# Altium PCB eva01.PcbDoc (part 1 of 4)
Units mm, origin at the board's own origin, x right, y up, seen from the top; angles counter-clockwise.
Board outline 84 x 120 mm, 4 copper layers (Top Layer, Inner, GND, Bottom Layer), stack 1.668 mm thick; 205 components, 261 nets, 1028 pads, 1169 vias.
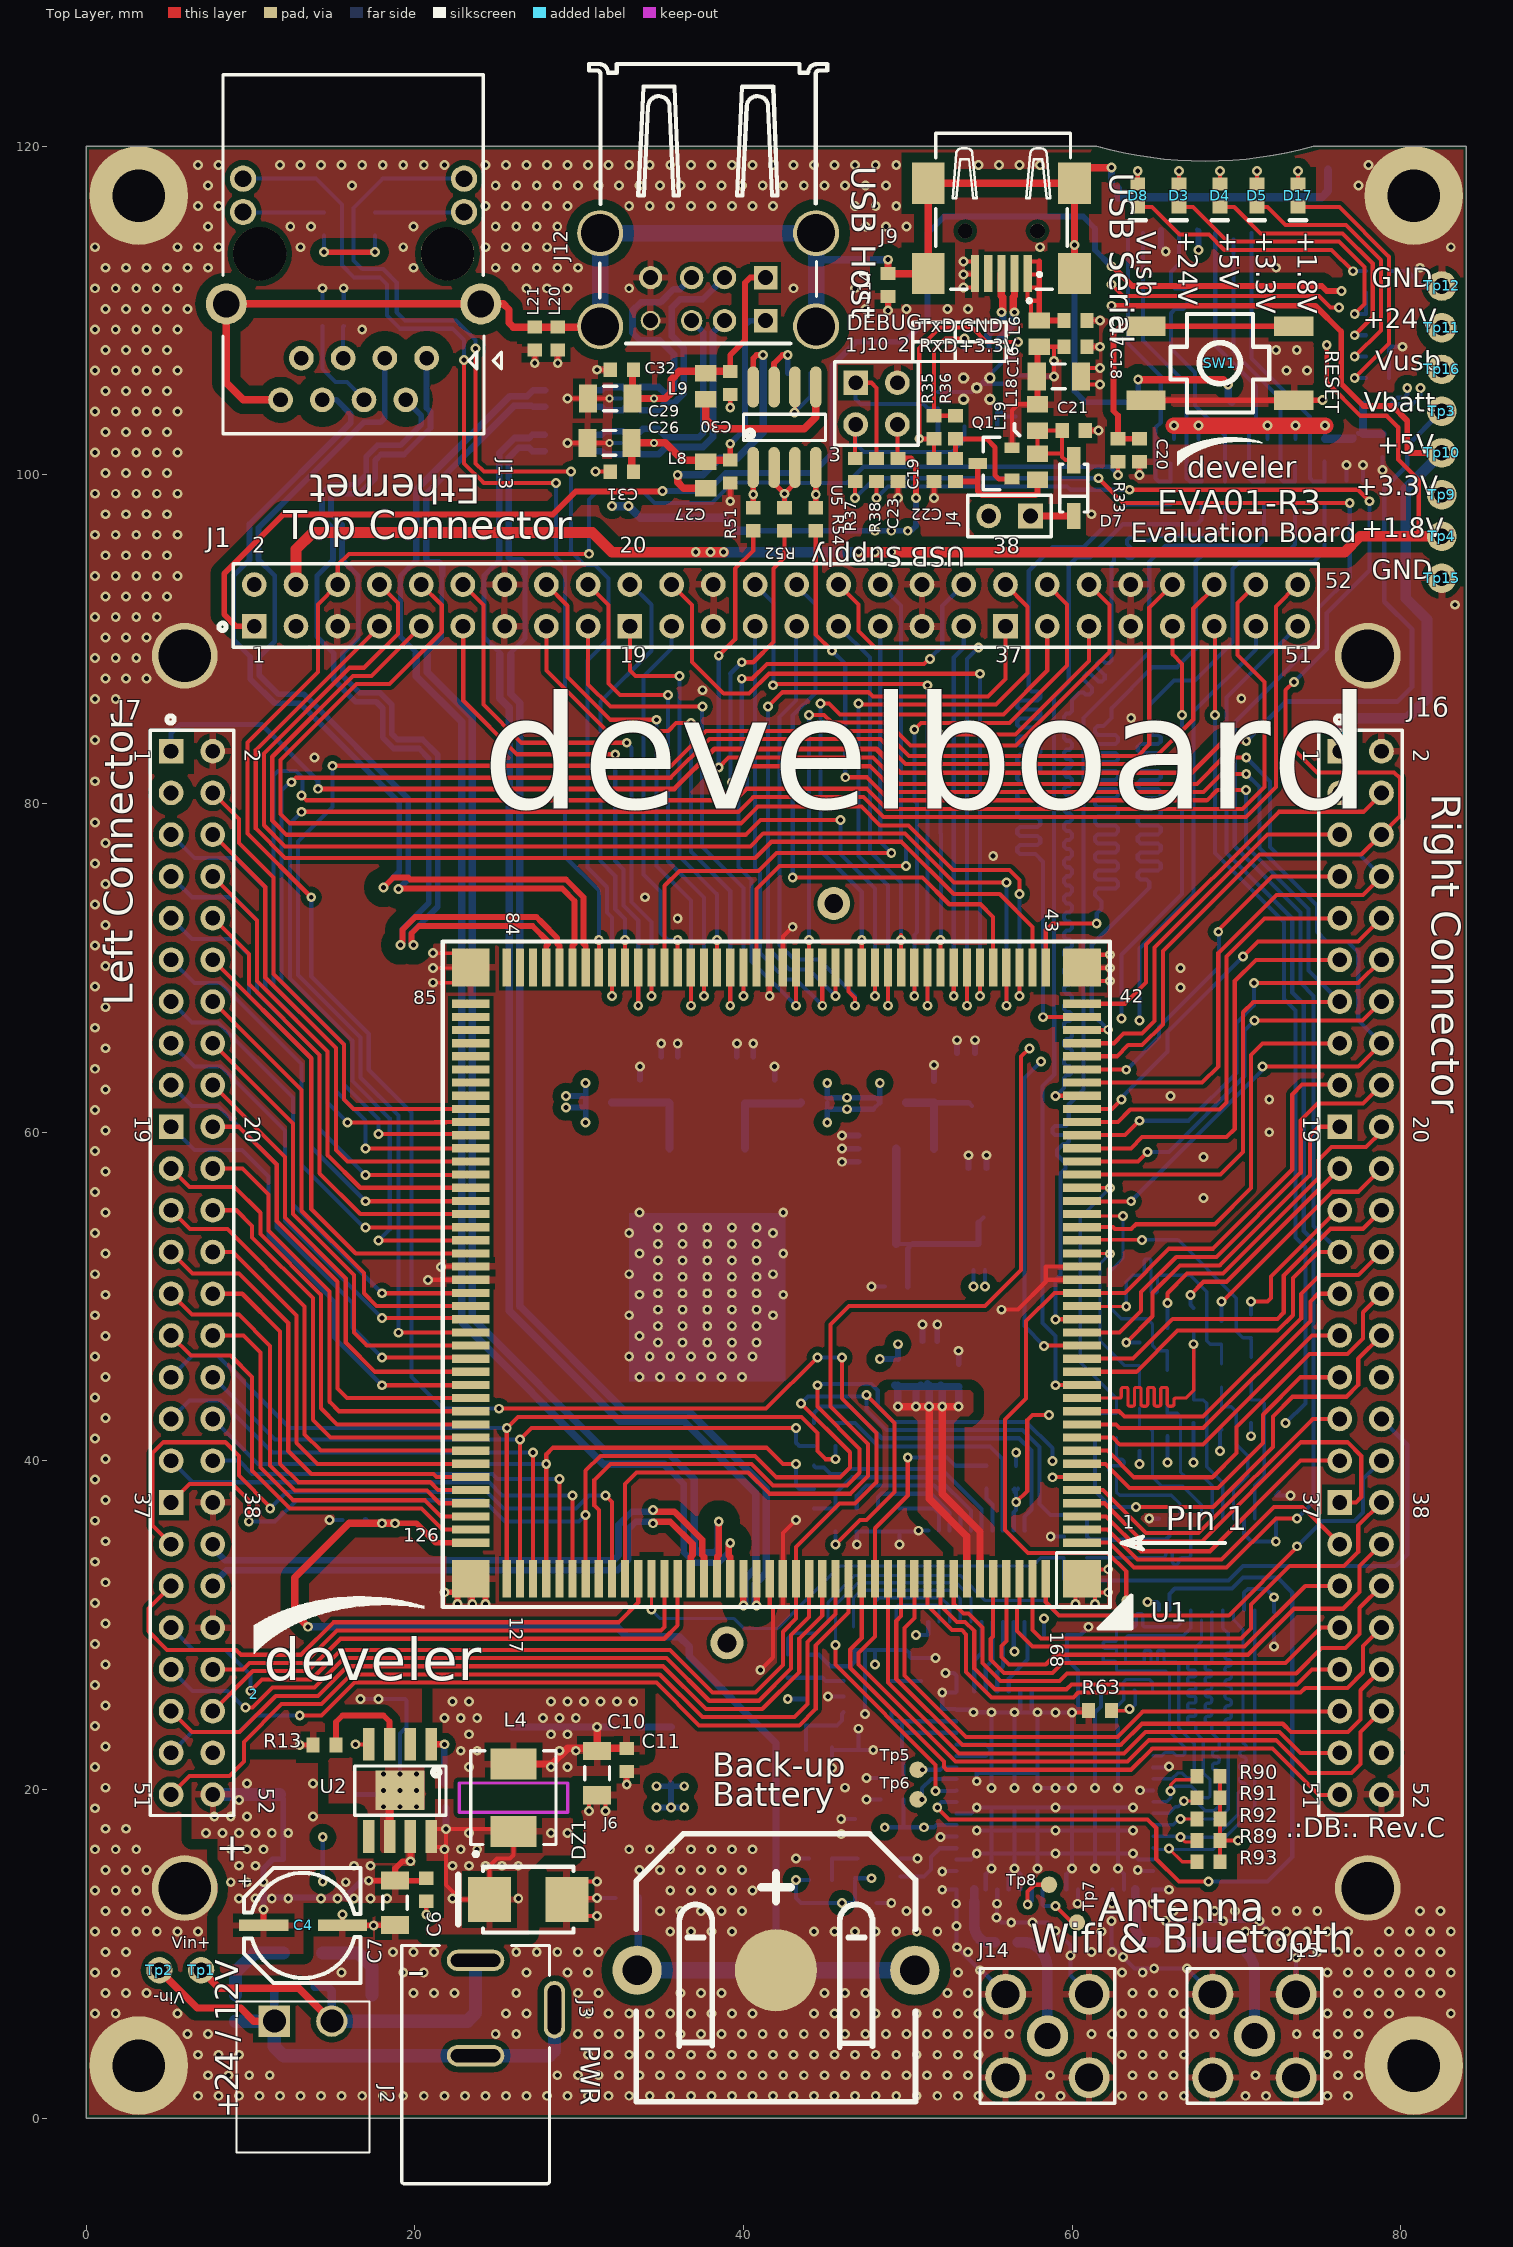
[diagram p0: Top Layer view]
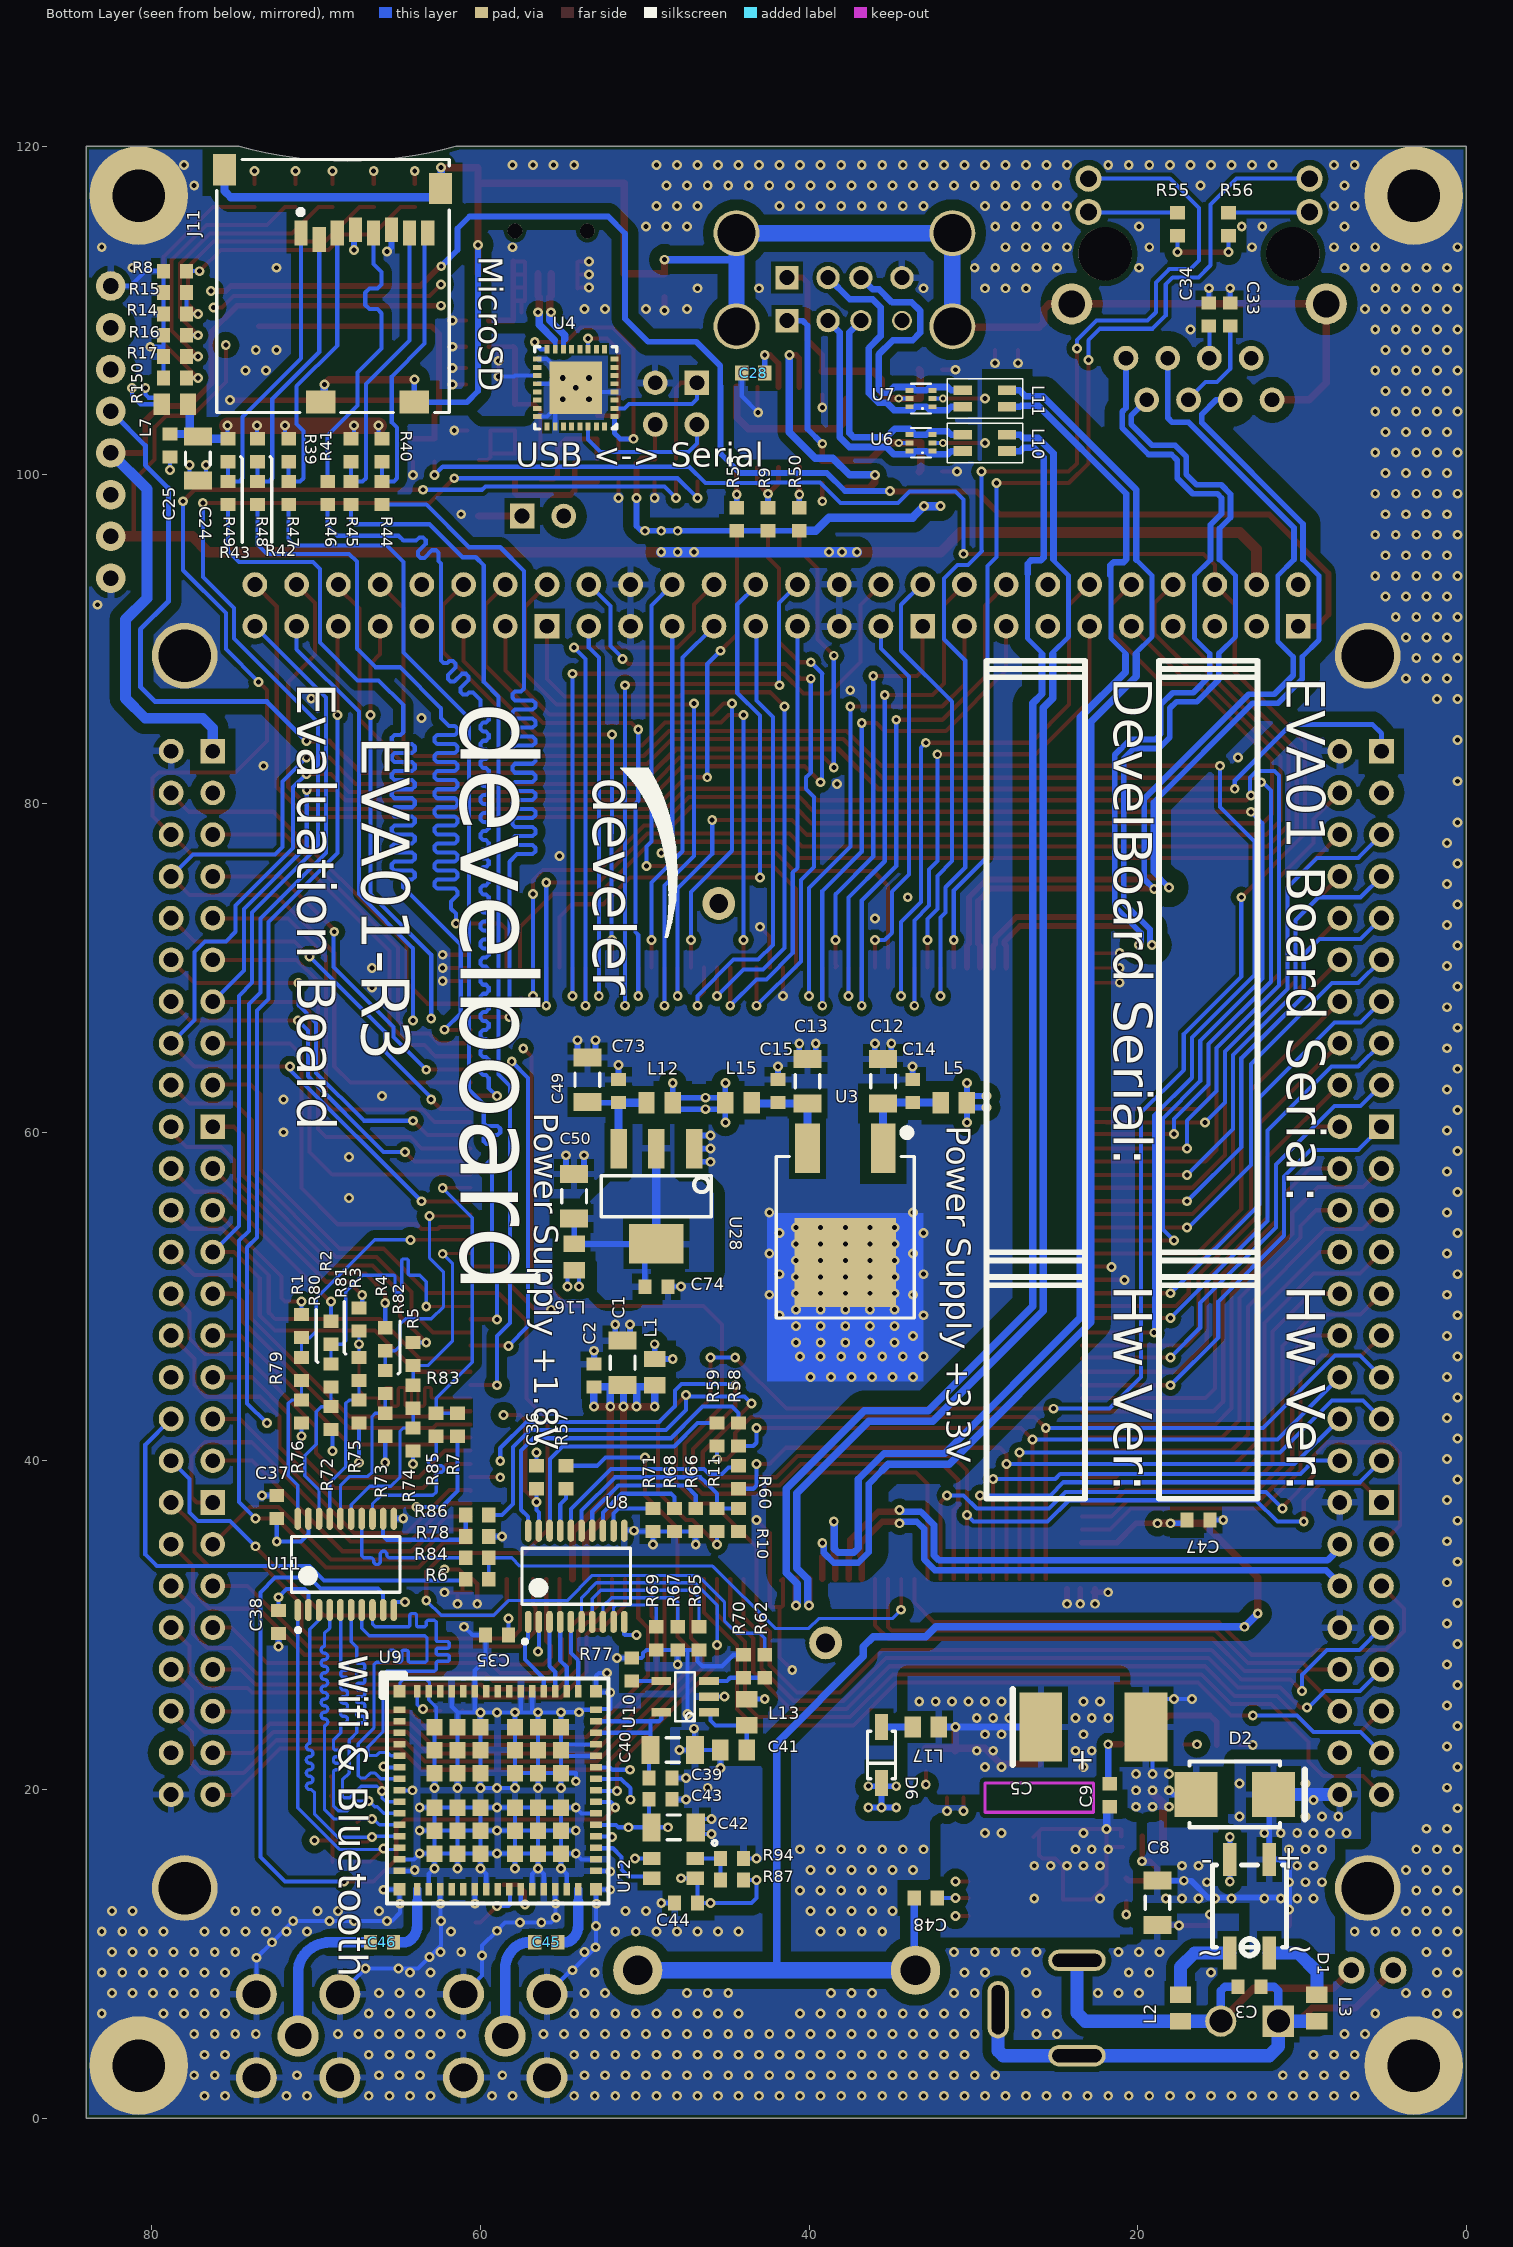
[diagram p1: Bottom Layer view, seen from below]
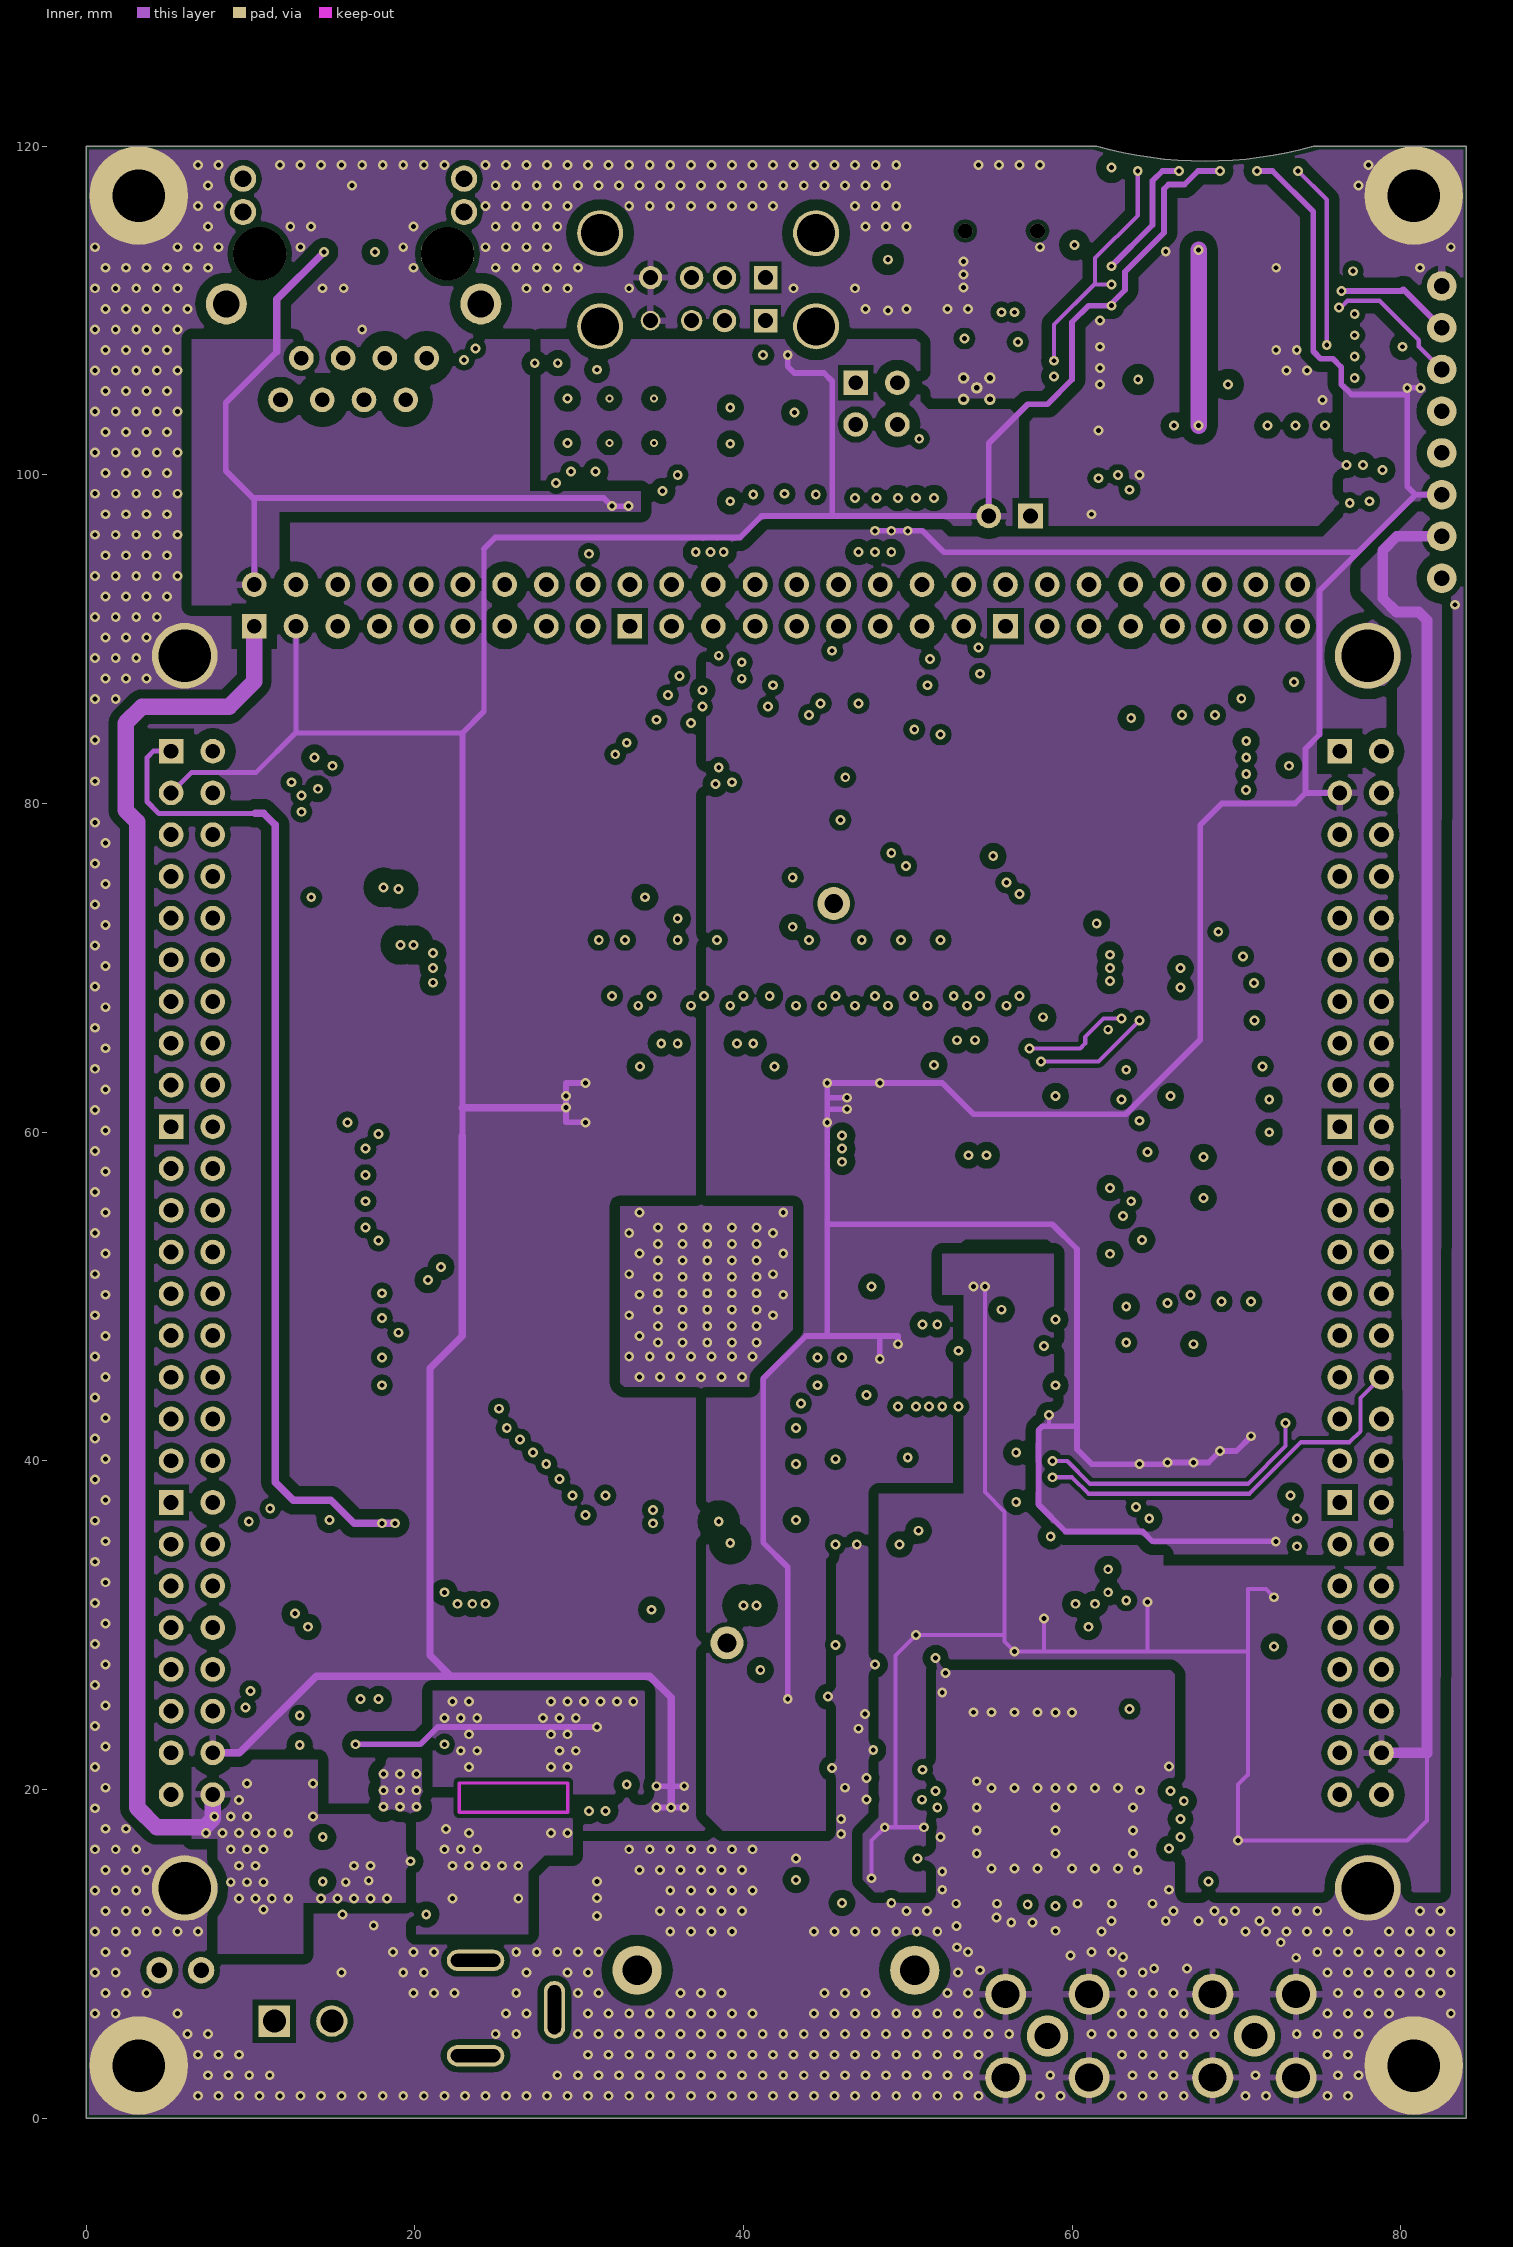
[diagram p2: Inner]
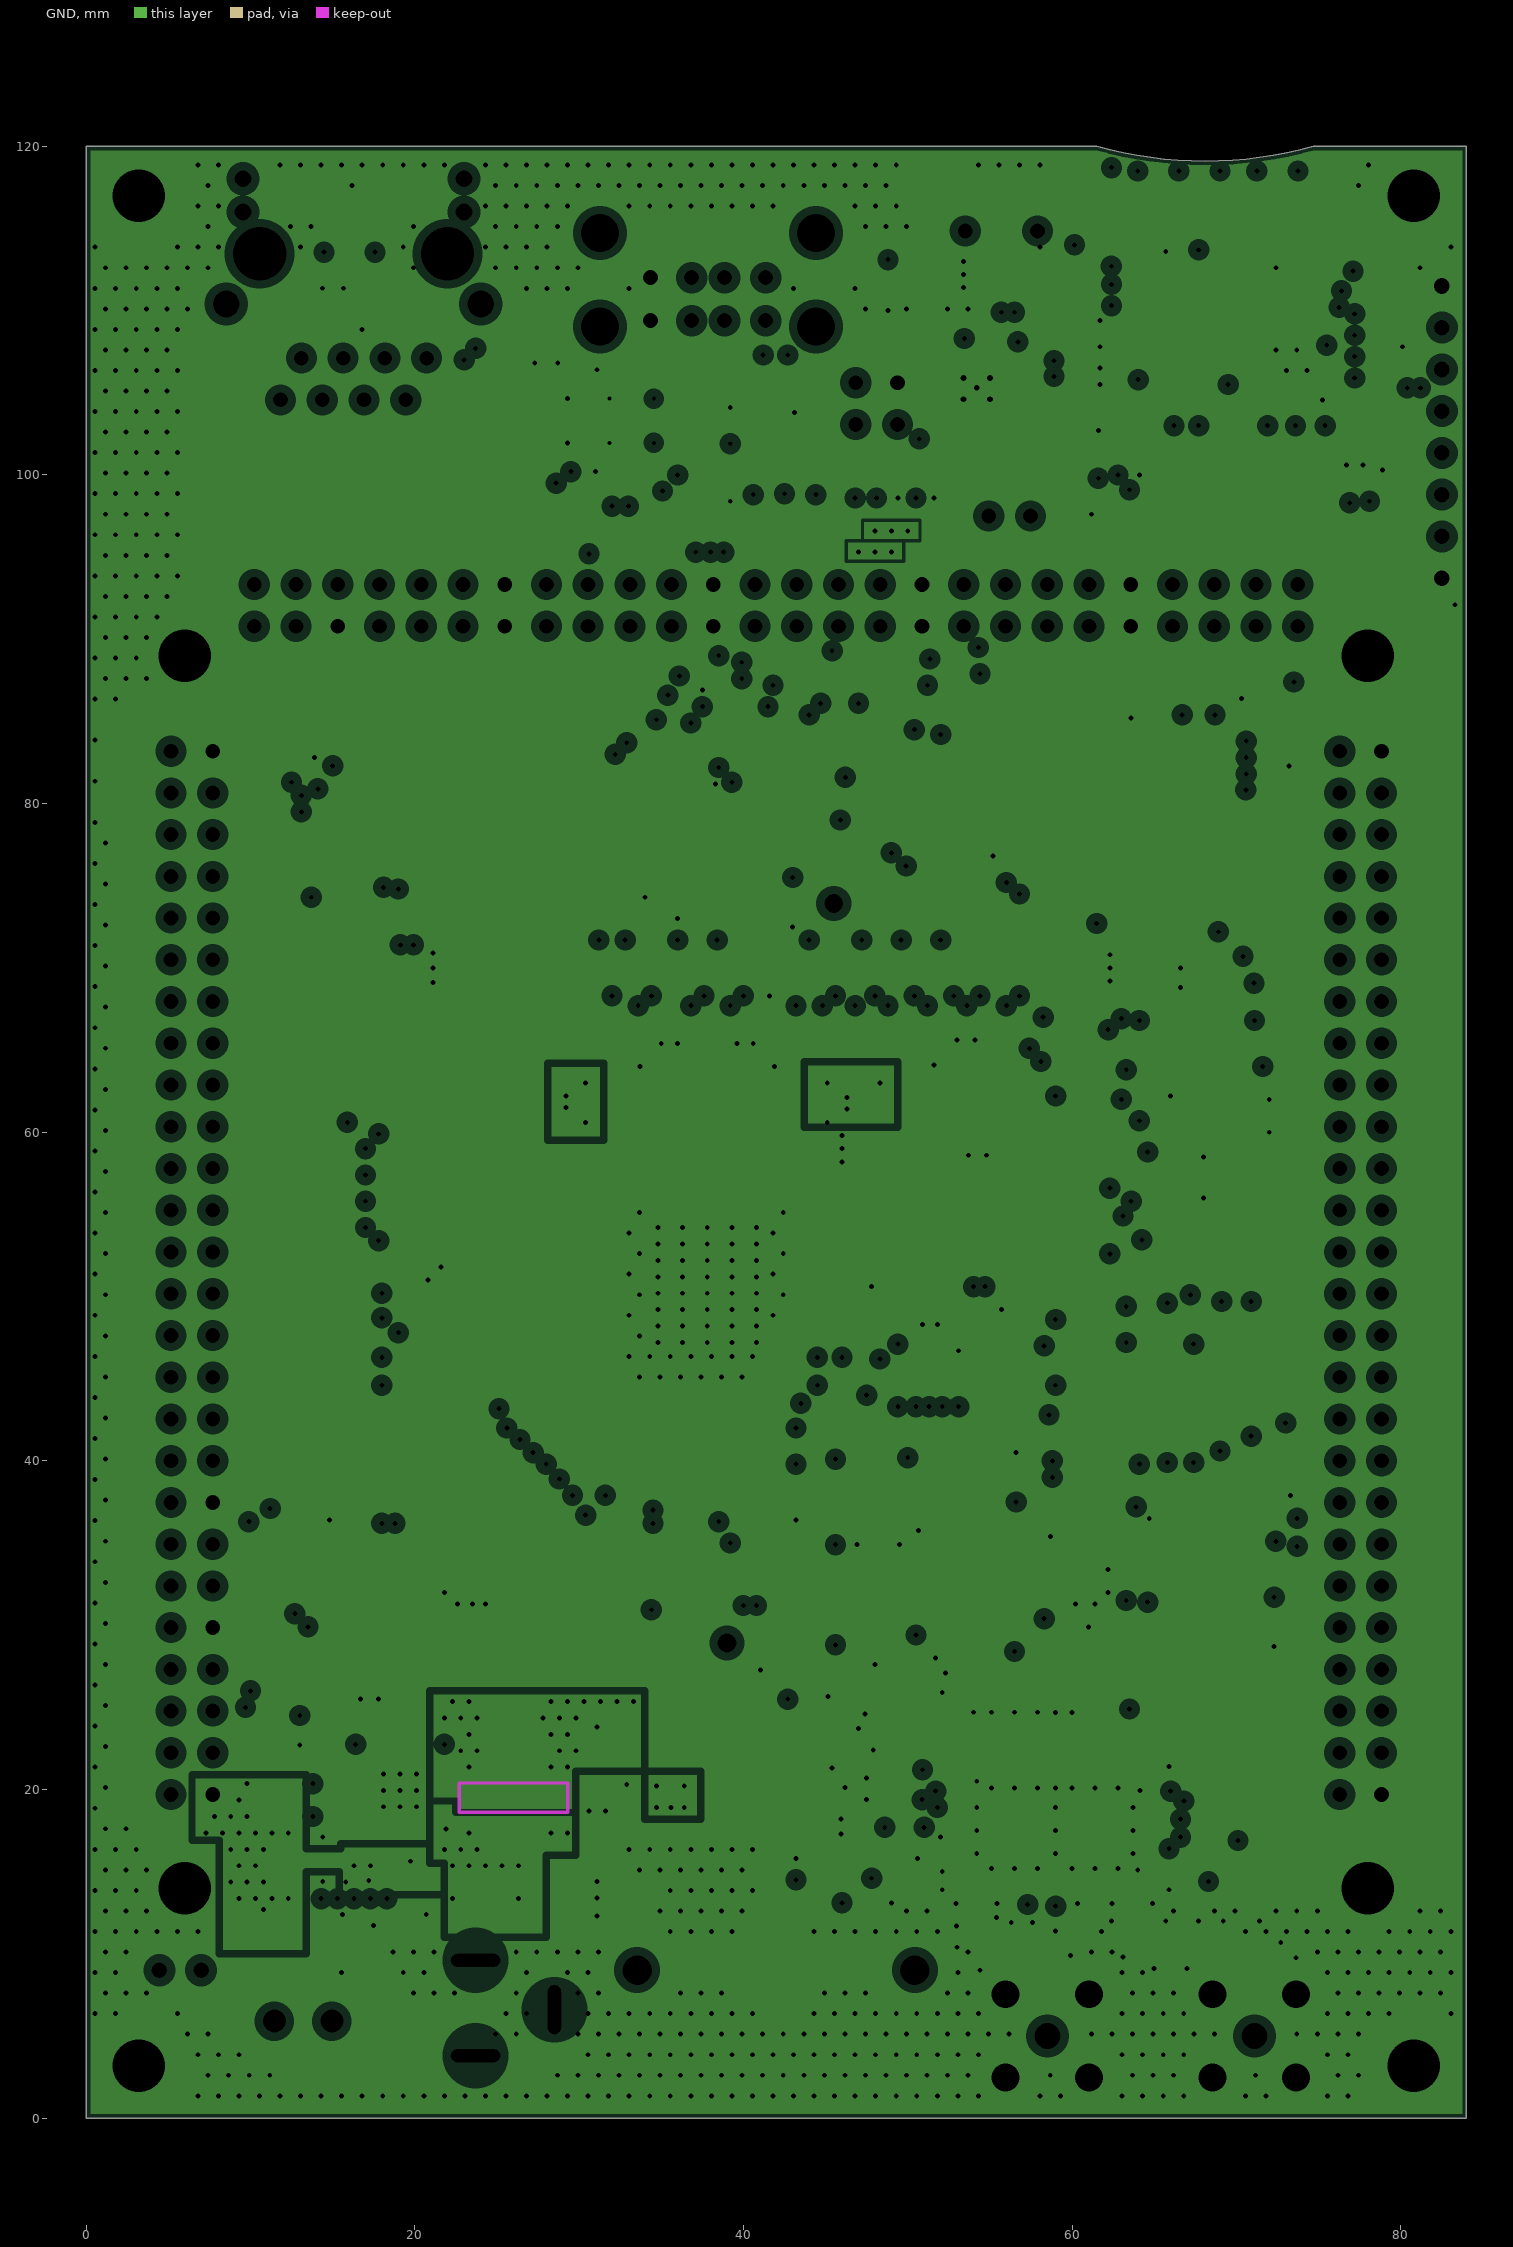
[diagram p3: GND, clearances drawn from the general rule]

## Layer stack, top to bottom
Top Solder: solder mask 0.0102, Solder Resist, Dk 3.5
Top Layer: signal copper 0.035
Dielectric1: prepreg 0.408, 2x7628, Dk 4.2
Inner: signal copper 0.036
Dielectric2: core 0.71, FR-4, Dk 4.2
GND: plane copper 0.036, net (Multiple Nets)
Dielectric3: prepreg 0.408, 2x7628, Dk 4.2
Bottom Layer: signal copper 0.035
Bottom Solder: solder mask 0.0102, Solder Resist, Dk 3.5

## Board outline
0,0 0,120 61.5,120 ccw(c68.1,143.744) 74.7,120 84,120 84,0

## Design rules (kind name [scope] priority, off if disabled: settings)
AssemblyTestpoint [All] p1: testpointundercomponent=TRUE minsize=0.5 maxsize=2.5 preferedsize=0.5 minholesize=0 maxholesize=1 preferedholesize=0 testpointgrid=0.1 usegrid=TRUE gridtolerance=0 allowsidetop=TRUE allowsidebottom=TRUE
Clearance Clearance_shld [InNet('SHLD') vs inpoly] p1: gap=0.2 except(0.65: Arc-Fill Arc-Poly Arc-Region Track-Fill Track-Poly Track-Region SMDPad-Fill SMDPad-Poly SMDPad-Region THPad-Fill THPad-Poly THPad-Region Via-Fill Via-Poly Via-Region Fill-Fill Fill-Poly Fill-Region Poly-Poly Poly-Region Region-Region)
Clearance Clearance_mmc-sdio_bus [InNetClass('SDIO_LOWBUS', 'SDIO_BUS', 'SDIO') or InNetClass('mmc', 'mmc_con') vs inpoly] p2: gap=0.35 except(0.25: Arc-Arc; 0.5: Arc-Fill Arc-Poly Arc-Region Track-Fill Track-Poly Track-Region SMDPad-Fill SMDPad-Poly SMDPad-Region THPad-Fill THPad-Poly THPad-Region Via-Fill Via-Poly Via-Region Fill-Fill Fill-Poly Fill-Region Poly-Poly Poly-Region Region-Region)
Clearance Clearance_Lswitch [InComponent('L4') vs OnLayer('Keep-Out Layer')] p3: gap=0.1
Clearance Clearance_components_015 [hasfootprint('SOT-563') or hasfootprint('QFN-32')] p4: gap=0.15 except(0.5: Track-Poly Track-Region)
Clearance Clearance_components_025 [hasfootprint('WL18XX_E-13.4X13.3-N100_0.75') or HasFootprint('micro_sd_holder_pp') or hasfootprint('project42_footprint_socket') or hasfootprint('TSOP65P640X120-20L') or hasfootprint('usb_typeB_mini_smd') or hasfootprint('USB_TYPEA_DOUBLE_THD')] p5: gap=0.25
Clearance Clearance_diff_eth_bus [InDifferentialPair('ETHRX', 'ETHTX') vs not (WithinRoom('Eth_develboard') or WithinRoom('Eth_connector') or WithinRoom('Eth_pin_header'))] p6: gap=0.9
Clearance Clearance_diff_usb_bus [InDifferentialPair('USB1') or InDifferentialPair('USB2') vs not (WithinRoom('Usb_filter') or WithinRoom('Usb_develboard'))] p7: gap=1
Clearance Clearance_+24 [innet('+24V', '-VIN', '+VIN') and ((ObjectKind = 'Track') And (AsMM(Width) > 0.35)) vs not WithinRoom('Eth_pin_header')] p8: gap=0.55
Clearance poly-poweline [InNetClass('Power') or innet('GND') vs inpoly] p9: gap=0.2 except(0.4: Arc-Via Track-Via SMDPad-Via THPad-Via Via-Via; 0.5: Via-Fill Via-Poly; 0.65: Arc-Fill Arc-Poly Track-Fill Track-Poly SMDPad-Fill SMDPad-Poly THPad-Fill THPad-Poly Fill-Fill Fill-Poly Poly-Poly)
Clearance Clearance_025 [(ObjectKind = 'Track') And (AsMM(Width) <= 0.25) vs not InAnyDifferentialPair] p10: gap=0.25
Clearance Clearance_035 [All vs not (InAnyDifferentialPair or WithinRoom('Eth_pin_header') or WithinRoom('Eth_connector') or WithinRoom('Usb_filter'))] p11: gap=0.35 except(0.25: Arc-Arc; 0.5: Track-Fill Track-Poly)
ComponentClearance [All] p1: gap=0.15 collisioncheckmode=3 verticalgap=0 showdistances=FALSE
DiffPairsRouting DiffPairsRouting_eth [InDifferentialPair('ETHRX')or InDifferentialPair('ETHTX')] p1: maxlimit=0.22 minlimit=0.2 mostfreqgap=0.2 toplayer_minwidth=0.3 toplayer_maxwidth=0.36 toplayer_prefwidth=0.35 midlayer1_minwidth=0.3 midlayer1_maxwidth=0.36 midlayer1_prefwidth=0.35 bottomlayer_minwidth=0.3 bottomlayer_maxwidth=0.36 bottomlayer_prefwidth=0.35 maxuncoupledlength=20
DiffPairsRouting DiffPairsRouting_usb [InDifferentialPair('USB1') or InDifferentialPair('USB2') or InDifferentialPair('USB_OTG') or InDifferentialPair('U1') or InDifferentialPair('U2')] p2: maxlimit=0.2 minlimit=0.15 mostfreqgap=0.2 toplayer_minwidth=0.38 toplayer_maxwidth=0.45 toplayer_prefwidth=0.45 midlayer1_mingap=0.2 midlayer1_minwidth=0.4 midlayer1_maxwidth=0.45 midlayer1_prefwidth=0.45 bottomlayer_mingap=0.2 bottomlayer_minwidth=0.3 bottomlayer_maxwidth=0.45 bottomlayer_prefwidth=0.45 maxuncoupledlength=16
DiffPairsRouting DiffPairsRouting_ftdi [InDifferentialPair('FTDIUSB')] p3: maxlimit=0.2 minlimit=0.15 mostfreqgap=0.2 toplayer_minwidth=0.3 toplayer_maxwidth=0.45 toplayer_prefwidth=0.45 midlayer1_mingap=0.2 midlayer1_minwidth=0.4 midlayer1_maxwidth=0.45 midlayer1_prefwidth=0.45 bottomlayer_mingap=0.2 bottomlayer_minwidth=0.3 bottomlayer_maxwidth=0.45 bottomlayer_prefwidth=0.45 maxuncoupledlength=12
FabricationTestPointUsage TestPointUsage [All] p1: valid=0 allowmultiple=FALSE
FabricationTestPointUsage [All] p2: valid=0 allowmultiple=FALSE
FabricationTestpoint Testpoint [All] p1: side=3 testpointundercomponent=TRUE minsize=1.016 maxsize=2.54 preferedsize=1.524 minholesize=0.508 maxholesize=1.016 preferedholesize=0.813 testpointgrid=0.025 allowsidetop=TRUE allowsidebottom=TRUE usegrid=TRUE gridtolerance=0
FabricationTestpoint [All] p2: side=3 testpointundercomponent=TRUE minsize=0.5 maxsize=2.5 preferedsize=0.5 minholesize=0 maxholesize=1 preferedholesize=0 testpointgrid=0.1 allowsidetop=TRUE allowsidebottom=TRUE usegrid=TRUE gridtolerance=0
Height [All] p1: minheight=0 maxheight=50 prefheight=16
HoleSize [All] p1: absolutevalues=TRUE maxlimit=3.5 minlimit=0.25 maxpercent=80.000 minpercent=20.000
HoleToHoleClearance [All] p1: gap=0.25 allowstackedmicrovias=TRUE
Length "Length SDIO_CLK" [InNet('PC4_SPI0_NPCS1_MCI0_CK_PCK1_W5_INT')] p1: maxlimit=32.9 minlimit=31.9
Length "Length SDIO_CMD" [InNet('PE0_MCI0_CDB_CTS4_W19_INT')] p2: maxlimit=20.8 minlimit=19.8
Length "Length SDIO_d0" [InNet('PE1_MCI0_DB0_U17_INT')] p3: maxlimit=13.7 minlimit=12.7
Length "Length SDIO_d1" [InNet('PE2_MCI0_DB1_T17_INT')] p4: maxlimit=16.9 minlimit=15.9
Length "Length SDIO_d2" [InNet('PE3_MCI0_DB2_P16_INT')] p5: maxlimit=21.6 minlimit=20.6
Length "Length SDIO_d3" [InNet('PE4_MCI0_DB3_U18_INT')] p6: maxlimit=20.4 minlimit=19.4
MatchedLengths MatchedLengths_usb1 [InDifferentialPair('USB1')] p1: tolerance=1 checknetsindiffpair=TRUE checkdiffpairvsdiffpair=FALSE checkxsignals=FALSE checkothers=FALSE
MatchedLengths MatchedLengths_usb2 [InDifferentialPair('USB2')] p2: tolerance=1 checknetsindiffpair=TRUE checkdiffpairvsdiffpair=FALSE checkxsignals=FALSE checkothers=FALSE
MatchedLengths MatchedLengths_u2 [InDifferentialPair('U2')] p3: tolerance=1 checknetsindiffpair=TRUE checkdiffpairvsdiffpair=FALSE checkxsignals=FALSE checkothers=FALSE
MatchedLengths MatchedLengths_u1 [InDifferentialPair('U1')] p4: tolerance=1 checknetsindiffpair=TRUE checkdiffpairvsdiffpair=FALSE checkxsignals=FALSE checkothers=FALSE
MatchedLengths MatchedLengths_usb_otg [InDifferentialPair('USB_OTG')] p5: tolerance=1.1 checknetsindiffpair=TRUE checkdiffpairvsdiffpair=FALSE checkxsignals=FALSE checkothers=FALSE
MatchedLengths MatchedLengths_mmc [InNetClass('mmc')] p6: tolerance=1 checknetsindiffpair=TRUE checkdiffpairvsdiffpair=FALSE checkxsignals=FALSE checkothers=FALSE
MatchedLengths MatchedLengths_mmc_com [InNetClass('mmc_con')] p7: tolerance=1 checknetsindiffpair=TRUE checkdiffpairvsdiffpair=FALSE checkxsignals=FALSE checkothers=FALSE
MatchedLengths MatchedLengths_SDIO_2 [InNetClass('SDIO_BUS')] p8: tolerance=0.5 checknetsindiffpair=TRUE checkdiffpairvsdiffpair=FALSE checkxsignals=FALSE checkothers=FALSE
MatchedLengths MatchedLengths_SDIO_1 [innetclass('SDIO_LOWBUS')] p9: tolerance=0.5 checknetsindiffpair=TRUE checkdiffpairvsdiffpair=FALSE checkxsignals=FALSE checkothers=FALSE
MatchedLengths DiffPair_MatchedLengths [InDifferentialPair('ETHRX')or InDifferentialPair('ETHTX')] p10: tolerance=1 checknetsindiffpair=TRUE checkdiffpairvsdiffpair=FALSE checkxsignals=FALSE checkothers=FALSE
MinimumSolderMaskSliver [All] p1: minsoldermaskwidth=0.1
MinimumSolderMaskSliver MinimumSolderMaskSliver_logo [HasFootprint('DEVELER_LOGO_8X3MM_BOTSOLDER')] p2: minsoldermaskwidth=0.05
PlaneClearance [All] p1: clearance=0.5
PlaneConnect PlaneConnect_mospad [((ObjectKind = 'Pad') And (Net = 'GND') And (Name = 'J6-NEG')) or ( (ObjectKind = 'Pad') And ((Component = 'U3') or (Component = 'U2') or (Component = 'U4')))] p1: planeconnectstyle=Direct reliefexpansion=0.508 reliefentries=4 reliefconductorwidth=0.254 reliefairgap=0.254
PlaneConnect PlaneConnect_via [isvia  or hasFootprint('TEST_POINT_THD_D1.6MM') or (ObjectKind = 'Pad') And (AsMM(HoleDiameter) = 3.2)] p2: planeconnectstyle=Direct reliefexpansion=0.508 reliefentries=4 reliefconductorwidth=0.254 reliefairgap=0.254
PlaneConnect [All] p3: planeconnectstyle=Relief reliefexpansion=0.35 reliefentries=4 reliefconductorwidth=0.4 reliefairgap=0.35
PolygonConnect PolygonConnect_hole [(ObjectKind = 'Pad') And (AsMM(HoleDiameter) = 3.2)] p1: connectstyle=Direct reliefconductorwidth=0.254 reliefentries=4 polygonreliefangle="90 Angle" airgapwidth=0.254